# Altium PCB Touch.PcbDoc
Units mil, origin at the board's own origin, x right, y up, seen from the top; angles counter-clockwise.
Board outline 2706.22 x 2875 mil, 2 copper layers (Top Layer, Bottom Layer); 35 components, 36 nets, 90 pads, 32 vias.
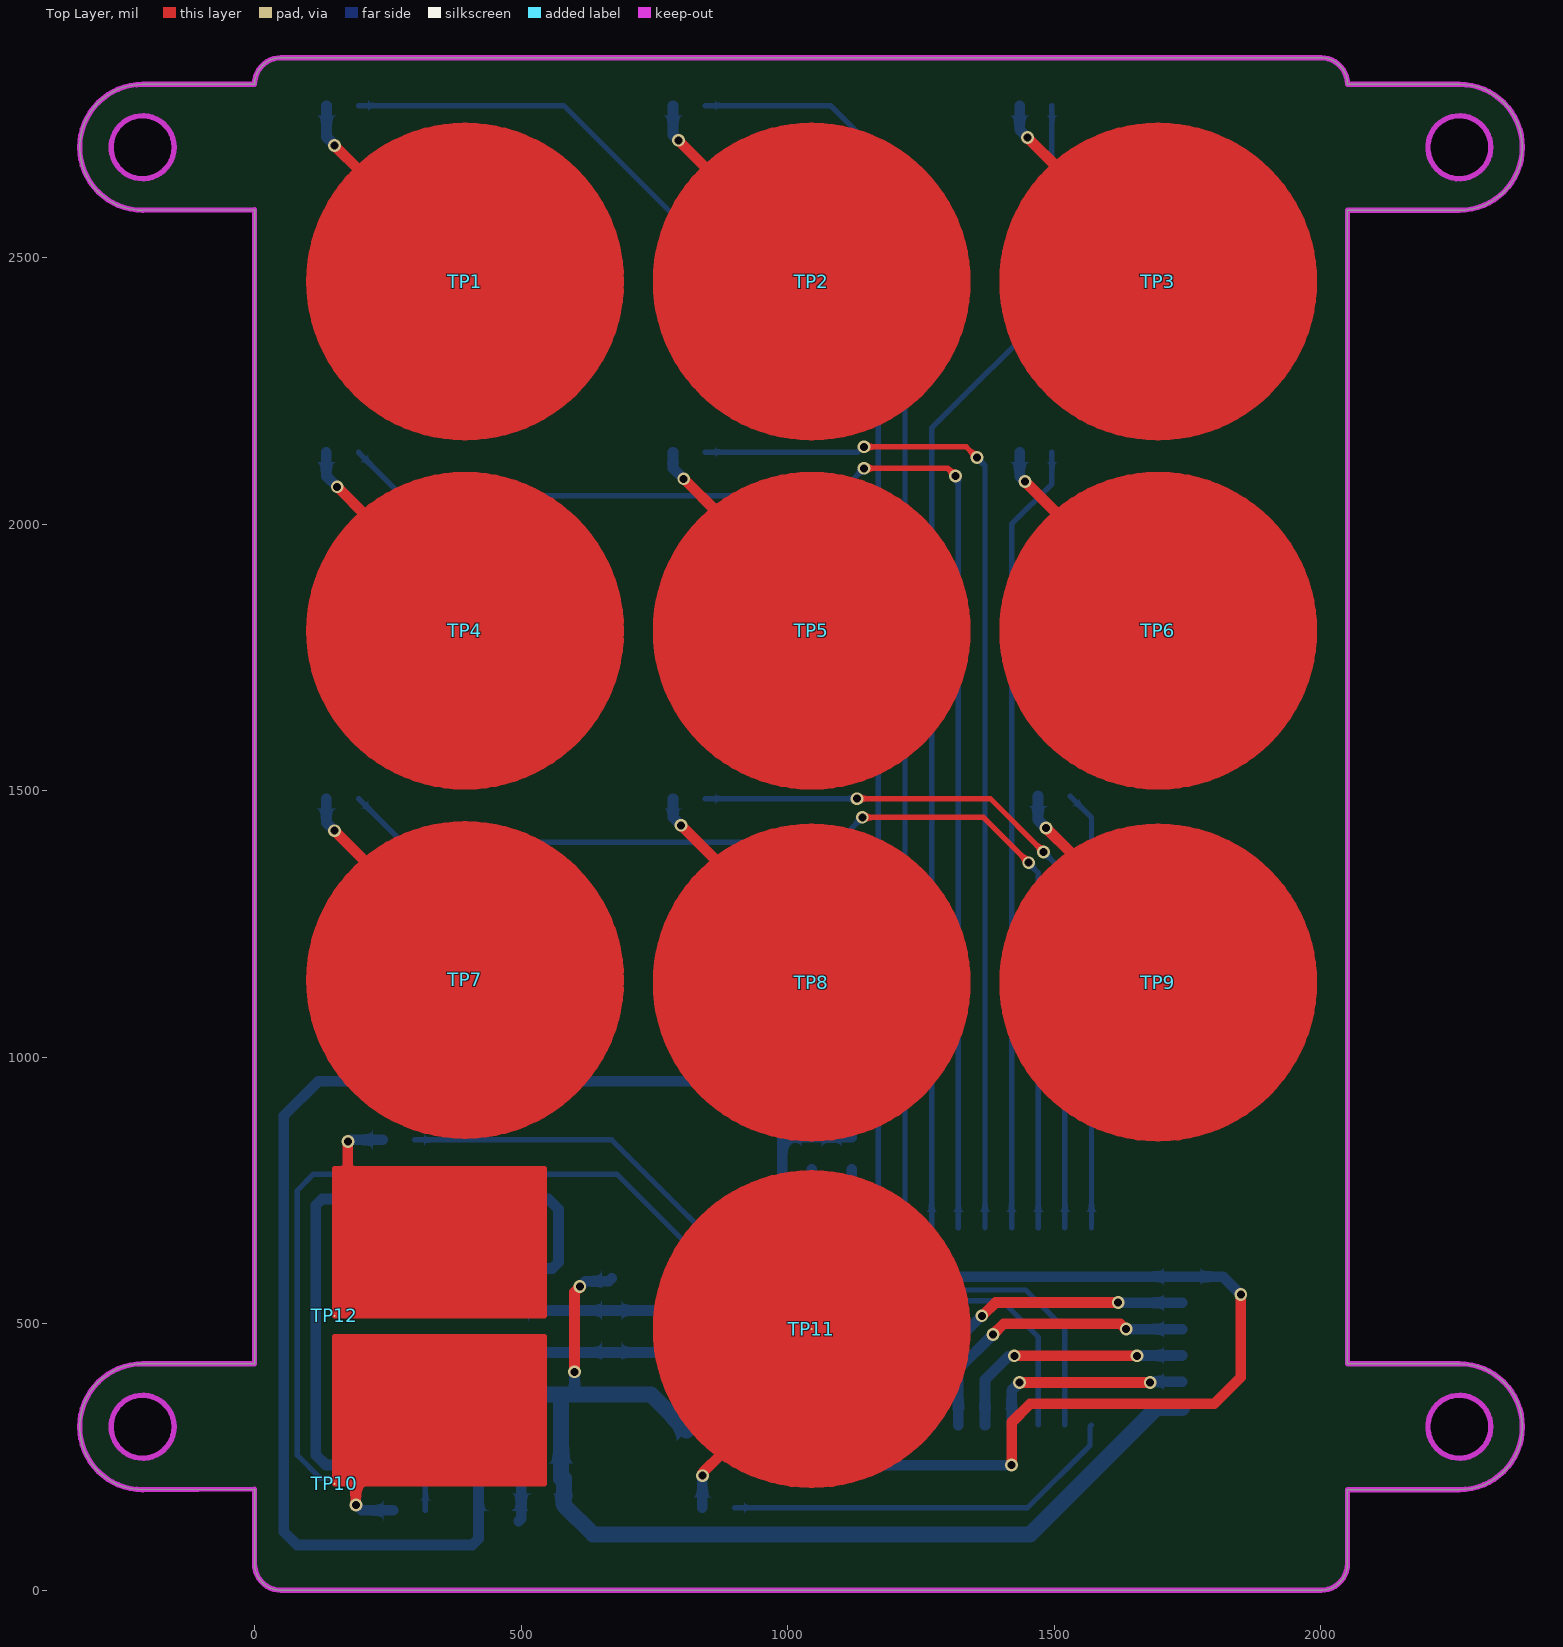
[diagram p0: Top Layer view]
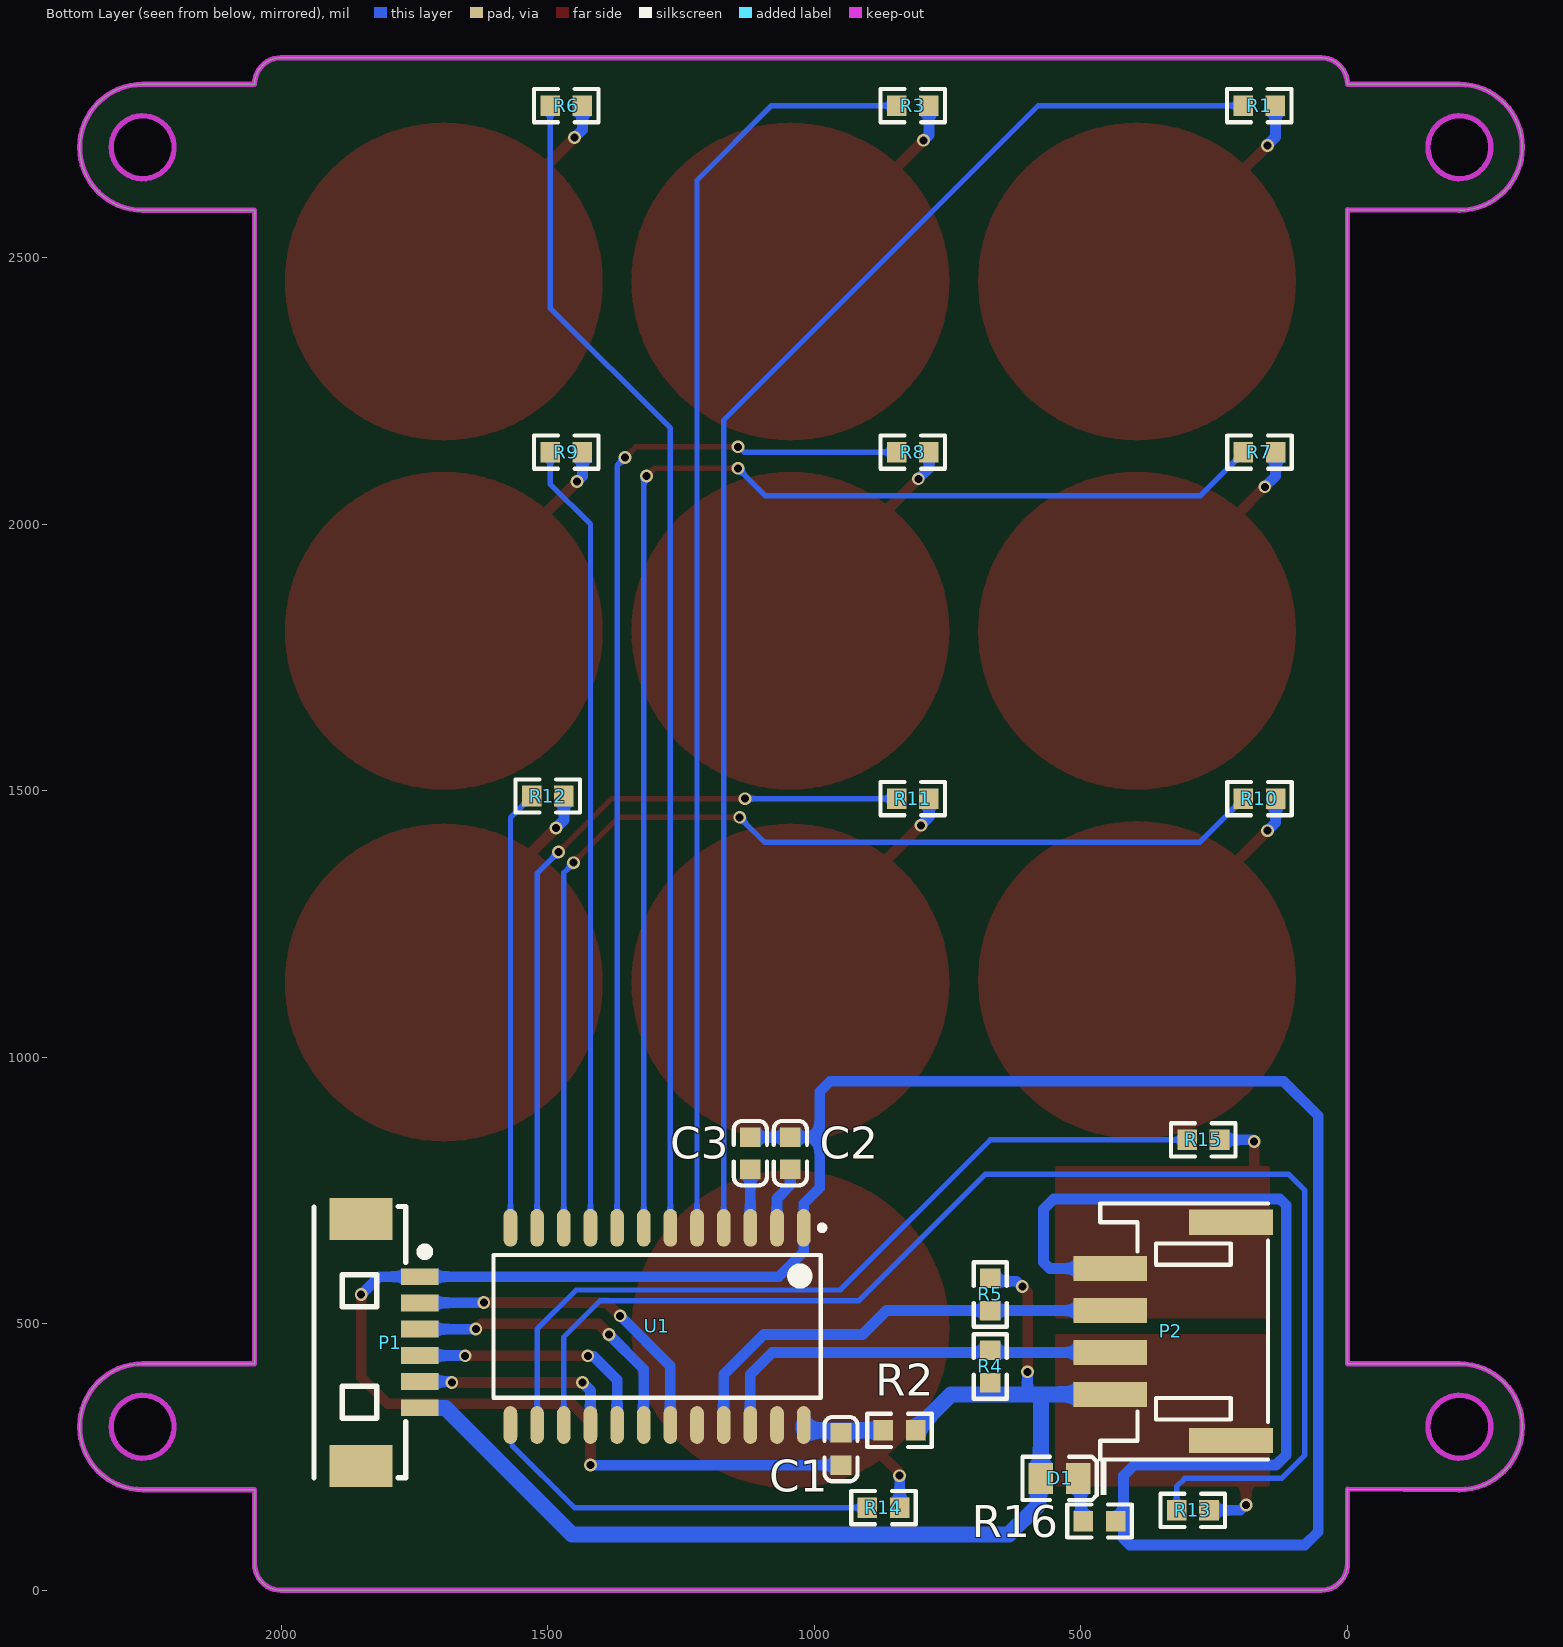
[diagram p1: Bottom Layer view, seen from below]
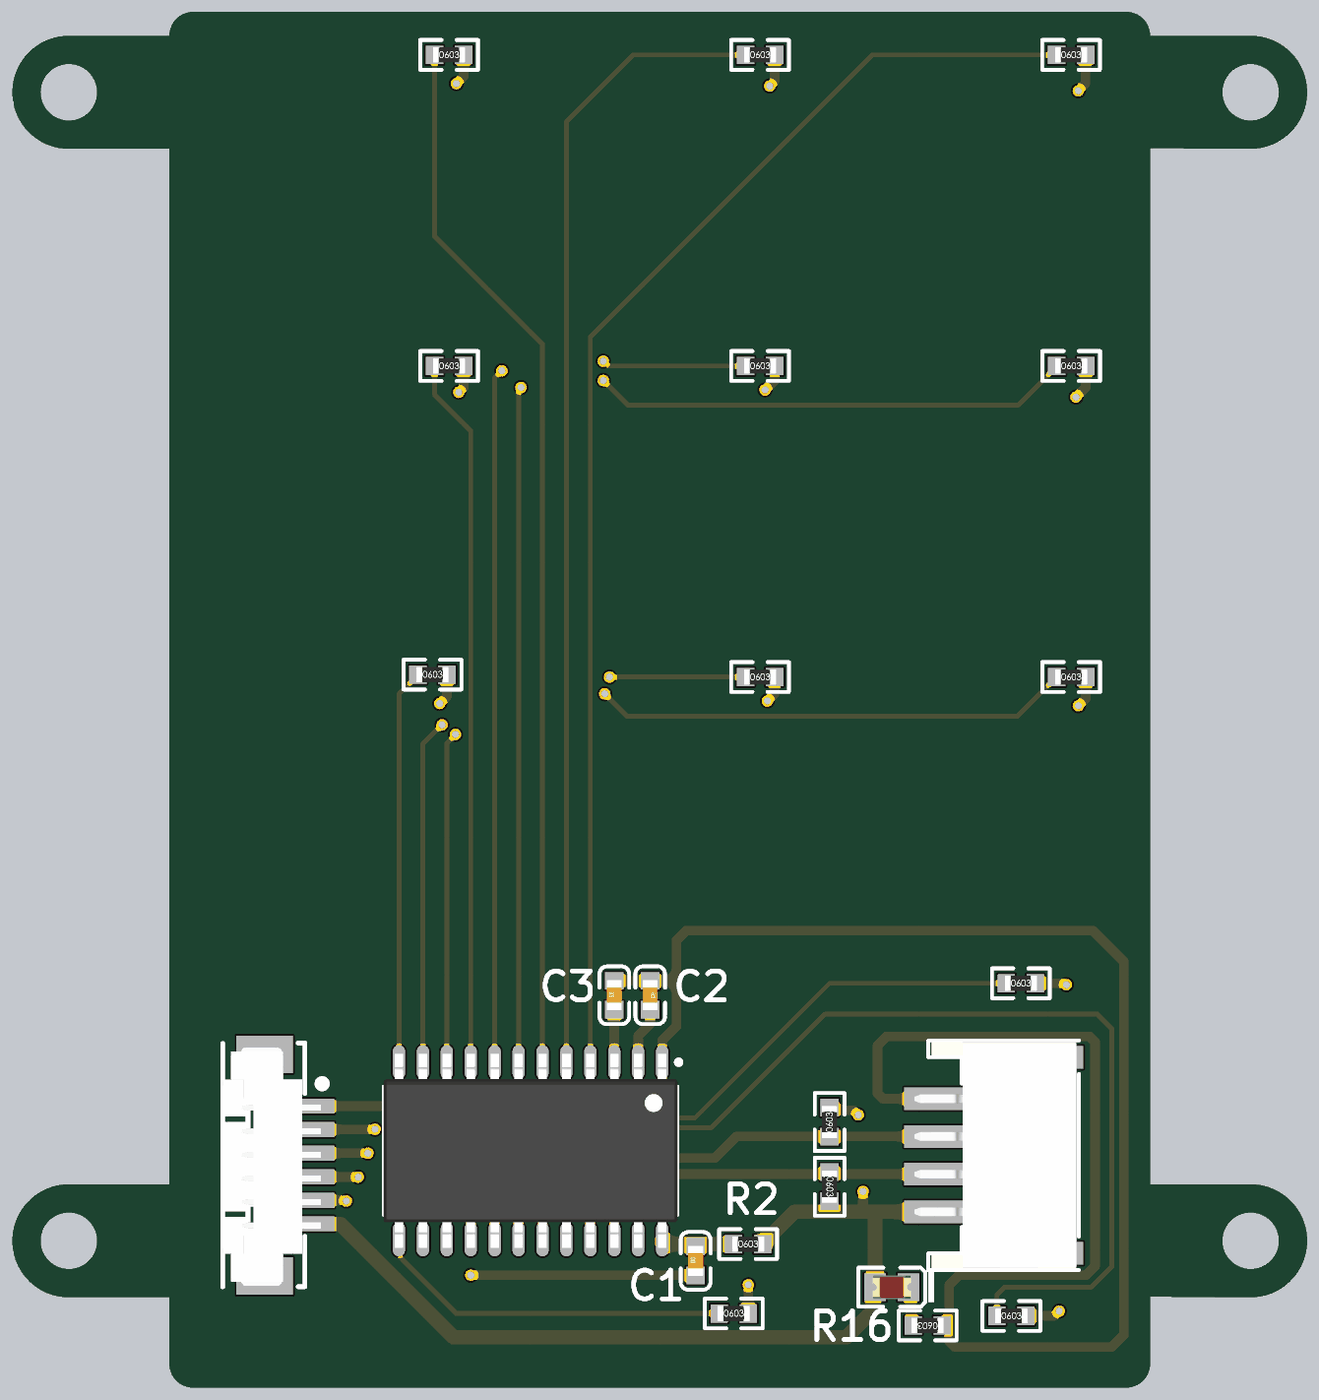
[diagram p2: 3D render of the assembled board from below, using the file's embedded part models]

## Layer stack, top to bottom
Top Solder: solder mask 0.4, Solder Resist, Dk 3.5
Top Layer: signal copper 1.4
Dielectric 1: dielectric 12.6, FR-4, Dk 4.8
Bottom Layer: signal copper 1.4
Bottom Solder: solder mask 0.4, Solder Resist, Dk 3.5

## Board outline
0,50 0,190 -210,188.8 cw(c-210,306.91) -210,425.02 -0.02,425.02 cw(c-0.02,425) 0,425 0,2590 -210,2588.8 cw(c-210,2706.91) -210,2825.02 -0.02,2825.02 0,2825 cw(c50,2825) 50,2875 2000,2875 cw(c2000,2825) 2050,2825 2260,2825 cw(c2260,2706.89) 2260,2588.78 2050,2588.78 2050,425 2260,425 cw(c2260,306.89) 2260,188.78 2050,188.78 2050,50 cw(c2000,50) 2000,0 50,0 cw(c50,50)
cut-out: -210,2647.85 cw(c-210,2706.91) -269.06,2706.91 cw(c-210,2706.91) -210,2765.96 cw(c-210,2706.91) -150.94,2706.91 cw(c-210,2706.91)
cut-out: 2200.94,2706.89 ccw(c2260,2706.89) 2260,2647.83 ccw(c2260,2706.89) 2319.06,2706.89 ccw(c2260,2706.89) 2260,2765.94 ccw(c2260,2706.89)
cut-out: 2200.94,306.89 ccw(c2260,306.89) 2260,247.83 ccw(c2260,306.89) 2319.06,306.89 ccw(c2260,306.89) 2260,365.94 ccw(c2260,306.89)
cut-out: -269.06,306.91 ccw(c-210,306.91) -210,247.85 ccw(c-210,306.91) -150.94,306.91 ccw(c-210,306.91) -210,365.96 ccw(c-210,306.91)

## Design rules (kind name [scope] priority, off if disabled: settings)
Clearance [All] p1: gap=10 ignorepadtopadclearanceinfootprint=FALSE except(0: Arc-Hole Track-Hole SMDPad-Hole THPad-Hole Via-Hole Fill-Hole Poly-Hole Region-Hole Text-Hole)
PolygonConnect [All] p1: connectstyle=Direct reliefconductorwidth=10 reliefentries=4 polygonreliefangle="90 Angle" airgapwidth=10
RoutingVias [All] p1: holewidth=28 width=50 viastyle="Through Hole" minholewidth=8 minwidth=12 maxholewidth=28 maxwidth=50
SolderMaskExpansion [All] p1: expansion=4 istentingtop=FALSE
Width [All] p1: maxlimit=200 minlimit=10 preferedwidth=10 minimp=50.000000 maximp=50.000000 favimp=50.000000
30 further rules are at their usual default settings.

## Components (designator, comment, footprint, x,y, rotation, side; value= is the part's Value field where it differs from the comment)
C1 "100nF (104) 10% 50V" 0603_C 950,265 r90 bottom
C2 "4.7nF (472) 10% 50V" 0603_C 1045,820 r270 bottom
C3 "15pF (150) 5% 50V" 0603_C 1120,820 r90 bottom
D1 "红灯 0805" 0805_LED_S1 540,210 r0 bottom
P1 "6PIN" MX1.25WS-6P 1847.65,693.85 r270 bottom
P2 "4PIN" PH2.0WS-4P 295.88,495.26 r90 bottom
R1 "1KΩ (1001) ±1%" 0603_R 165.32,2785 r180 bottom
R2 "20Ω (20R0) ±1%" 0603_R 840.32,300 r180 bottom
R3 "1KΩ (1001) ±1%" 0603_R 815.32,2785 r180 bottom
R4 "10KΩ (1002) ±1%" 0603_R 670,420 r270 bottom
R5 "10KΩ (1002) ±1%" 0603_R 670,555 r90 bottom
R6 "1KΩ (1001) ±1%" 0603_R 1465.32,2785 r180 bottom
R7 "1KΩ (1001) ±1%" 0603_R 165,2135 r180 bottom
R8 "1KΩ (1001) ±1%" 0603_R 815.32,2135 r180 bottom
R9 "1KΩ (1001) ±1%" 0603_R 1465.32,2135 r180 bottom
R10 "1KΩ (1001) ±1%" 0603_R 165,1485 r180 bottom
R11 "1KΩ (1001) ±1%" 0603_R 815.32,1485 r180 bottom
R12 "1KΩ (1001) ±1%" 0603_R 1500,1490 r180 bottom
R13 "1KΩ (1001) ±1%" 0603_R 290,150 r180 bottom
R14 "1KΩ (1001) ±1%" 0603_R 870.32,155 r180 bottom
R15 "1KΩ (1001) ±1%" 0603_R 270.32,845 r180 bottom
R16 "1KΩ (1001) ±1%" 0603_R 465,130 r0 bottom
TP1 "TouchPad" KEY0 395,2455 r0 top
TP2 "TouchPad" KEY1 1045,2455 r0 top
TP3 "TouchPad" KEY2 1695,2455 r0 top
TP4 "TouchPad" KEY3 395,1800 r0 top
TP5 "TouchPad" KEY4 1045,1800 r0 top
TP6 "TouchPad" KEY5 1695,1800 r0 top
TP7 "TouchPad" KEY6 395,1145 r0 top
TP8 "TouchPad" KEY7 1045,1140 r0 top
TP9 "TouchPad" KEY8 1695,1140 r0 top
TP10 "TouchPad" CANCEL 150,200 r0 top
TP11 "TouchPad" KEY9 1045,490 r0 top
TP12 "TouchPad" CONFIRM 150,515 r0 top
U1 "TouchPadIC" SOP127P1030X264-24N 1295,495.04 r270 bottom

## Footprints (in the part's own frame and the unit in brackets; to place one, negate y for a bottom-side part, rotate by r counter-clockwise, add the part's x,y. Pads: shape width x height; smd on the part's side, far side on the other; paste and mask are expansions set on the pad)
0603_C [mm]
  rect 0.93x0.98 smd: 1(-0.77,0) 2(0.77,0)
  silkscreen extent -1.53,-0.79 1.54,0.79, body extent -0.8,-0.4 0.8,0.4, height 0.3
0603_R [mm]
  rect 0.93x0.98 smd: 1(-0.77,0) 2(0.77,0)
  silkscreen extent -1.53,-0.79 1.54,0.79, body extent -0.85,-0.4 0.85,0.4, height 0.56
0805_LED_S1 [mm]
  rect 1.16x1.47 smd: A(0.89,0) K(-0.89,0)
  silkscreen extent -2.24,-1.04 1.77,1.03, body extent -1.01,-0.63 1.01,0.62, height 1.1
CANCEL [mm]
  round 0.1 smd mask+0.051: 1(0,0)
  Top Layer region: 0,0 0,7 10,7 10,0
  Top Layer lines w0.254: 0,0 1.016,0 10,0 10,7 0,7 0,0
CONFIRM [mm]
  round 0.1 smd mask+0.051: 1(0,0)
  Top Layer region: 0,0 0,7 10,7 10,0
  Top Layer lines w0.254: 0,0 0,7 10,7 10,0 0,0
KEY0 [mm]
  round 0.1 smd mask+0.051: 1(0,0)
  Top Layer circle w1.143: c0,0 r7
  Top Layer region: 0,-7 -2.679,-6.467 -4.95,-4.95 -6.467,-2.679 -7,0 -7,0 -6.467,2.679 -4.95,4.95 -2.679,6.467 0,7 0,7 2.679,6.467 4.95,4.95 6.467,2.679 7,0 7,0 6.467,-2.679 4.95,-4.95 2.679,-6.467 0,-7
KEY1 [mm]
  round 0.1 smd mask+0.051: 1(0,0)
  Top Layer circle w1.143: c0,0 r7
  Top Layer region: 0,-7 -2.679,-6.467 -4.95,-4.95 -6.467,-2.679 -7,0 -7,0 -6.467,2.679 -4.95,4.95 -2.679,6.467 0,7 0,7 2.679,6.467 4.95,4.95 6.467,2.679 7,0 7,0 6.467,-2.679 4.95,-4.95 2.679,-6.467 0,-7
KEY2 [mm]
  round 0.1 smd mask+0.051: 1(0,0)
  Top Layer circle w1.143: c0,0 r7
  Top Layer region: 0,-7 -2.679,-6.467 -4.95,-4.95 -6.467,-2.679 -7,0 -7,0 -6.467,2.679 -4.95,4.95 -2.679,6.467 0,7 0,7 2.679,6.467 4.95,4.95 6.467,2.679 7,0 7,0 6.467,-2.679 4.95,-4.95 2.679,-6.467 0,-7
KEY3 [mm]
  round 0.1 smd mask+0.051: 1(0,0)
  Top Layer circle w1.143: c0,0 r7
  Top Layer region: 0,-7 -2.679,-6.467 -4.95,-4.95 -6.467,-2.679 -7,0 -7,0 -6.467,2.679 -4.95,4.95 -2.679,6.467 0,7 0,7 2.679,6.467 4.95,4.95 6.467,2.679 7,0 7,0 6.467,-2.679 4.95,-4.95 2.679,-6.467 0,-7
KEY4 [mm]
  round 0.1 smd mask+0.051: 1(0,0)
  Top Layer circle w1.143: c0,0 r7
  Top Layer region: 0,-7 -2.679,-6.467 -4.95,-4.95 -6.467,-2.679 -7,0 -7,0 -6.467,2.679 -4.95,4.95 -2.679,6.467 0,7 0,7 2.679,6.467 4.95,4.95 6.467,2.679 7,0 7,0 6.467,-2.679 4.95,-4.95 2.679,-6.467 0,-7
KEY5 [mm]
  round 0.1 smd mask+0.051: 1(0,0)
  Top Layer circle w1.143: c0,0 r7
  Top Layer region: 0,-7 -2.679,-6.467 -4.95,-4.95 -6.467,-2.679 -7,0 -7,0 -6.467,2.679 -4.95,4.95 -2.679,6.467 0,7 0,7 2.679,6.467 4.95,4.95 6.467,2.679 7,0 7,0 6.467,-2.679 4.95,-4.95 2.679,-6.467 0,-7
KEY6 [mm]
  round 0.1 smd mask+0.051: 1(0,0)
  Top Layer circle w1.143: c0,0 r7
  Top Layer region: 0,-7 -2.679,-6.467 -4.95,-4.95 -6.467,-2.679 -7,0 -7,0 -6.467,2.679 -4.95,4.95 -2.679,6.467 0,7 0,7 2.679,6.467 4.95,4.95 6.467,2.679 7,0 7,0 6.467,-2.679 4.95,-4.95 2.679,-6.467 0,-7
KEY7 [mm]
  round 0.1 smd mask+0.051: 1(0,0)
  Top Layer circle w1.143: c0,0 r7
  Top Layer region: 0,-7 -2.679,-6.467 -4.95,-4.95 -6.467,-2.679 -7,0 -7,0 -6.467,2.679 -4.95,4.95 -2.679,6.467 0,7 0,7 2.679,6.467 4.95,4.95 6.467,2.679 7,0 7,0 6.467,-2.679 4.95,-4.95 2.679,-6.467 0,-7
KEY8 [mm]
  round 0.1 smd mask+0.051: 1(0,0)
  Top Layer circle w1.143: c0,0 r7
  Top Layer region: 0,-7 -2.679,-6.467 -4.95,-4.95 -6.467,-2.679 -7,0 -7,0 -6.467,2.679 -4.95,4.95 -2.679,6.467 0,7 0,7 2.679,6.467 4.95,4.95 6.467,2.679 7,0 7,0 6.467,-2.679 4.95,-4.95 2.679,-6.467 0,-7
KEY9 [mm]
  round 0.1 smd mask+0.051: 1(0,0)
  Top Layer circle w1.143: c0,0 r7
  Top Layer region: 0,-7 -2.679,-6.467 -4.95,-4.95 -6.467,-2.679 -7,0 -7,0 -6.467,2.679 -4.95,4.95 -2.679,6.467 0,7 0,7 2.679,6.467 4.95,4.95 6.467,2.679 7,0 7,0 6.467,-2.679 4.95,-4.95 2.679,-6.467 0,-7
MX1.25WS-6P [mm]
  rect 2x3 smd: 0(-0.065,-0.076) 0(11.699,-0.076)
  rect 0.8x1.778 smd: 1(2.678,2.734) 2(3.928,2.734) 3(5.178,2.734) 4(6.428,2.734) 5(7.678,2.734) 6(8.928,2.734)
  silkscreen extent -0.67,-2.3 12.27,3.17, body extent -0.43,-2.29 12.22,2.9, height 3.4
PH2.0WS-4P [mm]
  rect 1.2x4 smd: 0(-5.445,-1.962) 0(4.955,-1.962)
  rect 1.2x3.5 smd: 1(-3.245,3.788) 2(-1.245,3.788) 3(0.755,3.788) 4(2.755,3.788)
  silkscreen extent -6.34,-3.73 5.85,4.27, body extent -6.24,-3.61 5.76,4.99, height 5.55
SOP127P1030X264-24N [mm] "SOP, 24-Leads, Body 15.40x7.50mm, Pitch 1.27mm, IPC Medium Density"
  oval 1.8x0.65 smd: 1(-4.7,6.985) 2(-4.7,5.715) 3(-4.7,4.445) 4(-4.7,3.175) 5(-4.7,1.905) 6(-4.7,0.635) 7(-4.7,-0.635) 8(-4.7,-1.905) 9(-4.7,-3.175) 10(-4.7,-4.445) 11(-4.7,-5.715) 12(-4.7,-6.985) 13(4.7,-6.985) 14(4.7,-5.715) 15(4.7,-4.445) 16(4.7,-3.175) 17(4.7,-1.905) 18(4.7,-0.635) 19(4.7,0.635) 20(4.7,1.905) 21(4.7,3.175) 22(4.7,4.445) 23(4.7,5.715) 24(4.7,6.985)
  silkscreen extent -4.82,-7.8 3.4,7.98, body extent -5.15,-7.8 5.15,7.8, height 2.64

## Part data
C1: library part "0603 100nF (104) 10% 50V", "贴片电容", Package=0603, SuppliersPartNumber=C14663, ComponentLink1Description=供应商链接, ComponentLink1URL=http://www.szlcsc.com/product/details_15331.html, Supplier=LC
C2: library part "0603 4.7nF (472) 10% 50V", "贴片电容", Package=0603, SuppliersPartNumber=C53987, ComponentLink1Description=供应商链接, ComponentLink1URL=http://www.szlcsc.com/product/details_55004.html, Supplier=LC
C3: library part "0603 15pF (150) 5% 50V", "贴片电容", Package=0603, SuppliersPartNumber=C1644, ComponentLink1Description=供应商链接, ComponentLink1URL=http://www.szlcsc.com/product/details_1996.html, Supplier=LC
D1: library part "0805 红灯", "发光二极管", Package=0805, SuppliersPartNumber=C2295, ComponentLink1Description=供应商链接, ComponentLink1URL=http://www.szlcsc.com/product/details_2668.html, Supplier=LC
P1: library part 接线端子-6PIN
P2: library part 接线端子-4PIN
R1 R3 R6 R7 R8 R9 R10 R11 R12 R13 R14 R15 R16: library part "0603 1KΩ (1001) 1%", "贴片电阻", Package=0603, SuppliersPartNumber=C21190, ComponentLink1Description=供应商链接, ComponentLink1URL=http://www.szlcsc.com/product/details_21904.html, Supplier=LC
R2: library part "0603 20Ω (20R0) 1%", "贴片电阻", Package=0603, SuppliersPartNumber=C22950, ComponentLink1Description=供应商链接, ComponentLink1URL=http://www.szlcsc.com/product/details_23677.html, Supplier=LC
R4 R5: library part "0603 10KΩ (1002) 1%", "贴片电阻", Package=0603, SuppliersPartNumber=C25804, ComponentLink1Description=供应商链接, ComponentLink1URL=http://www.szlcsc.com/product/details_26547.html, Supplier=LC
TP1: library part Touch0
TP2: library part Touch1
TP3: library part Touch2
TP4: library part Touch3
TP5: library part Touch4
TP6: library part Touch5
TP7: library part Touch6
TP8: library part Touch7
TP9: library part Touch8
TP10: library part No
TP11: library part Touch9
TP12: library part Yes
U1: library part XW12C

## Via types
v1: diameter 24, hole 15, Top Layer to Bottom Layer, 32 vias

## Nets (pads, with @x,y where several pads share a name; then routed paths per layer and width w, separated by ;. In a path a pad name is that pad's centre, name@x,y a point inside that pad or via, vN(x,y) a via of type N, cw(c..) or ccw(c..) an arc to the next point about the centre after c; other vN are vias at no path point)
BCD0: P1.2 U1.19 | length 630.6
  Top Layer w20: v1(1364.11,515) 1365.2,515 1390.2,540 v1(1620,540)
  Bottom Layer w20: U1.19 1270,420.89 v1(1364.11,515) ; v1(1620,540) 1620.39,539.61 1739.61,539.61 P1.2
BCD1: P1.3 U1.18 | length 564.4
  Top Layer w20: v1(1385,480) 1405,500 1623.92,500 1633.92,490 v1(1635,490)
  Bottom Layer w20: U1.18 1320,415 v1(1385,480) ; v1(1635,490) P1.3
BCD2: P1.4 U1.17 | length 474
  Top Layer w20: v1(1425,440) v1(1655,440)
  Bottom Layer w20: U1.17 1370,395 1414.23,439.23 1424.23,439.23 v1(1425,440) ; v1(1655,440) 1655.39,440.39 1739.61,440.39 P1.4
BCD3: P1.5 U1.16 | length 391.9
  Top Layer w20: v1(1435,390) v1(1680,390)
  Bottom Layer w20: U1.16 1420,375 v1(1435,390) ; v1(1680,390) 1681.08,390 1682.66,391.57 P1.5
GND: C1.1 C2.1 C3.2 P1.1 P2.4 R16.1 U1.1 | length 6211.3
  Top Layer w20: v1(1420,235) 1420,315 1455,350 1800,350 1850,400 v1(1850,555)
  Bottom Layer w20: P2.4 558.28,603.74 570,615.46 570,715 551.02,733.98 126.72,733.98 115,722.26 115,253.88 133.88,235 400,235 420,215 420,130 420,96.72 408.28,85 80,85 55,110 55,890 120,955 970,955 990,935 990,850 ; C1.1 950.16,234.84 1419.84,234.84 v1(1420,235) ; C3.2 1119.68,850 1045,850 990,850 ; v1(1850,555) 1816.57,588.43 P1.1 1066.57,588.43 1020,635 U1.1 1020,725 990,755 990,850
NetC1_2: C1.2 R2.1 U1.24 | length 158.1
  Bottom Layer w30: R2.1 1017.8,300 1020,302.2 U1.24
NetC2_2: C2.2 U1.2 | length 120
  Bottom Layer w20: C2.2 1045,760 1070,735 U1.2
NetC3_1: C3.1 U1.3 | length 109.6
  Bottom Layer w20: U1.3 C3.1
NetD1_K: D1.K R16.2 | length 84
  Bottom Layer w20: R16.2 500.14,134.82 500.14,205.18 D1.K
NetR1_2: R1.2 TP1.1 | length 162.1
  Top Layer w20: v1(150,2710) 200.13,2659.87 200.13,2649.87
  Bottom Layer w20: R1.2 135,2726.08 150,2711.08 v1(150,2710)
NetR3_2: R3.2 TP2.1 | length 159.3
  Top Layer w20: v1(795,2720) 855.8,2659.2 859.92,2659.2
  Bottom Layer w20: R3.2 785,2730 v1(795,2720)
NetR6_2: R6.2 TP3.1 | length 156.8
  Top Layer w20: v1(1450,2725) 1509.92,2665.08 1509.92,2659.2
  Bottom Layer w20: R6.2 1435,2740 v1(1450,2725)
NetR7_2: R7.2 TP4.1 | length 162.2
  Top Layer w20: v1(155,2070) 211.97,2013.03 220.17,2013.03
  Bottom Layer w20: R7.2 134.68,2090.32 v1(155,2070)
NetR8_2: R8.2 TP5.1 | length 157.2
  Top Layer w20: v1(805,2085) 870.17,2019.83 870.17,2013.03
  Bottom Layer w20: R8.2 785,2105 v1(805,2085)
NetR9_2: R9.2 TP6.1 | length 161.5
  Top Layer w20: v1(1445,2080) 1510.64,2014.36 1510.64,2004.84
  Bottom Layer w20: R9.2 1435,2090 v1(1445,2080)
NetR10_2: R10.2 TP7.1 | length 167
  Top Layer w20: v1(150,1425) 209.92,1365.08 209.92,1349.2
  Bottom Layer w20: R10.2 134.68,1440.32 v1(150,1425)
NetR11_2: R11.2 TP8.1 | length 166
  Top Layer w20: v1(800,1435) 873.44,1361.56 873.44,1355.68
  Bottom Layer w20: R11.2 785,1450 v1(800,1435)
NetR12_2: R12.2 TP9.1 | length 168.1
  Top Layer w20: v1(1484.72,1429.83) 1532.56,1381.99 1532.56,1365.43 1520.17,1353.03
  Bottom Layer w20: R12.2 1469.68,1444.87 v1(1484.72,1429.83)
NetR13_2: R13.2 TP10.1 | length 123.8
  Top Layer w20: v1(190,160) 190,200 190,210
  Bottom Layer w20: v1(190,160) 191.08,160 201.08,150 R13.2
NetR14_2: R14.2 TP11.1 | length 139
  Top Layer w20: v1(840,215) 840.77,215.77 840.77,220.89 876.17,256.3 898.94,256.3
  Bottom Layer w20: R14.2 v1(840,215)
NetR15_2: R15.2 TP12.1 | length 123.2
  Top Layer w20: 175,785 175,790.59 v1(175,842)
  Bottom Layer w20: v1(175,842) 176.08,842 179.08,845 R15.2
Pad0: R1.1 U1.4 | length 2733.7
  Bottom Layer w10: R1.1 580,2785 1170,2195 U1.4
Pad1: R3.1 U1.5 | length 2397.3
  Bottom Layer w10: R3.1 1080,2785 1220,2645 U1.5
Pad2: R6.1 U1.6 | length 2198.4
  Bottom Layer w10: U1.6 1270,2180 1495.63,2405.63 R6.1
Pad3: R7.1 U1.7 | length 2593.6
  Top Layer w10: v1(1143,2104.72) 1300.28,2104.72 v1@1314.89,2090.11
  Bottom Layer w10: R7.1 195.31,2134.02 276.33,2053 1091.28,2053 v1(1143,2104.72) ; v1(1315,2090) 1315,2088.92 1320,2083.92 U1.7
Pad4: R8.1 U1.8 | length 1972.9
  Top Layer w10: v1(1143,2145) 1335,2145 v1(1355,2125)
  Bottom Layer w10: R8.1 1131.92,2135 1141.92,2145 v1(1143,2145) ; v1(1355,2125) 1370,2110 U1.8
Pad5: R9.1 U1.9 | length 1486.2
  Bottom Layer w10: U1.9 1420,2000 1495.63,2075.63 R9.1
Pad6: R10.1 U1.10 | length 2037.7
  Top Layer w10: v1(1140,1450) 1367,1450 v1(1452,1365)
  Bottom Layer w10: R10.1 277.31,1403 1093,1403 v1(1140,1450) ; v1(1452,1365) 1452,1363.92 1470,1345.92 U1.10
Pad7: R11.1 U1.11 | length 1397.3
  Top Layer w10: v1(1130,1485) 1380,1485 v1(1480,1385)
  Bottom Layer w10: R11.1 v1(1130,1485) ; v1(1480,1385) 1520,1345 U1.11
Pad8: R12.1 U1.12 | length 826.4
  Bottom Layer w10: R12.1 1530.31,1489.02 1570,1449.33 U1.12
Pad9: R14.1 U1.13 | length 754.1
  Bottom Layer w10: R14.1 1450,155 1567.02,272.02 1567.02,307.02 U1.13
Pad10: R15.1 U1.14 | length 1546.4
  Bottom Layer w10: R15.1 670,845 951.57,563.43 1446.57,563.43 1520,490 U1.14
Pad11: R13.1 U1.15 | length 2500.2
  Bottom Layer w10: R13.1 320.31,194.69 305,210 123.53,210 80,253.53 80,750 110.71,780.71 679.29,780.71 916.57,543.43 1401.57,543.43 1470,475 U1.15
SCL: P2.3 R5.1 U1.21 | length 869
  Bottom Layer w20: P2.3 R5.1@660,525 ; R5.1@660.71,525 864.65,525 909.65,480 1095,480 1170,405 U1.21
SDA: P2.2 R4.1 U1.22 | length 787.1
  Bottom Layer w20: P2.2 1078.74,446.26 1120,405 U1.22
VCC: D1.A P1.6 P2.1 R2.2 R4.2 R5.2 | length 2162.1
  Top Layer w20: v1(600,410) 600,558.92 610,568.92 v1(610,570)
  Bottom Layer w20: 600,367.52 v1(600,410) ; v1(610,570) 611.08,570 620.71,579.63 664.31,579.63 R5.2
  Bottom Layer w30: P2.1 575.04,367.52 ; D1.A D1.A@575.04,214.96 ; R2.2 810,300.98 743.46,367.52 600,367.52 575.04,367.52 ; P1.6 1739.25,341.61 1691.61,341.61 1455,105 635,105 580,160 580,210 D1.A@575.04,214.96 ; D1.A@575.04,214.96 575.04,367.52
pads on no net: P1.0 P2.0 U1.20 U1.23

## Keep-outs
Keep-Out Layer:
  circle w10: c2260,2706.89 r59.06
  circle w10: c-210,2706.91 r59.06
  circle w10: c2260,306.89 r59.06
  circle w10: c-210,306.91 r59.06
  lines w10: 2050,185 2050,50 cw(c2000,50) 2000,0 75,0 50,0 cw(c50,50) 0,50 0,75 0,190 -210,188.8 cw(c-210,306.91) -210,425.02 -0.02,425.02 ; 2050,188.78 2260,188.78 ccw(c2260,306.89) 2260,425 2050,425 2050,2585 ; 2050,2588.78 2260,2588.78 ccw(c2260,2706.89) 2260,2825 2050,2825 ccw(c2000,2825) 2000,2875 1975,2875 50,2875 ccw(c50,2825) 0,2825 -210,2825.02 ccw(c-210,2706.91) -210,2588.8 0,2590 0,474.79 ; 0,425 ccw(c-0.02,425) -0.02,425.02 ; 0,425 0,474.79 ; 0,474.79 ccw(c0,474.79) 0,474.79

## Text inside footprints (layer, text, board x,y; h text height)
TP1: Top Solder "0" at 310,2339.65 h393.7
TP2: Top Solder "1" at 960,2335 h393.7
TP3: Top Solder "2" at 1610,2335 h393.7
TP4: Top Solder "3" at 310,1684.65 h393.7
TP5: Top Solder "4" at 942.64,1680 h393.7
TP6: Top Solder "5" at 1610,1684.65 h393.7
TP7: Top Solder "6" at 310,1029.65 h393.7
TP8: Top Solder "7" at 960,1020 h393.7
TP9: Top Solder "8" at 1610,1024.65 h393.7
TP10: Top Solder "清零" at 160,275.48 h196.85
TP11: Top Solder "9" at 960,374.65 h393.7
TP12: Top Solder "确认" at 160,589.12 h196.85